# KiCad board MiniCamel_long.kicad_pcb
title: TinyLlama; date: 2023-02-10; rev: 2.1; company: Eivind Bøhler
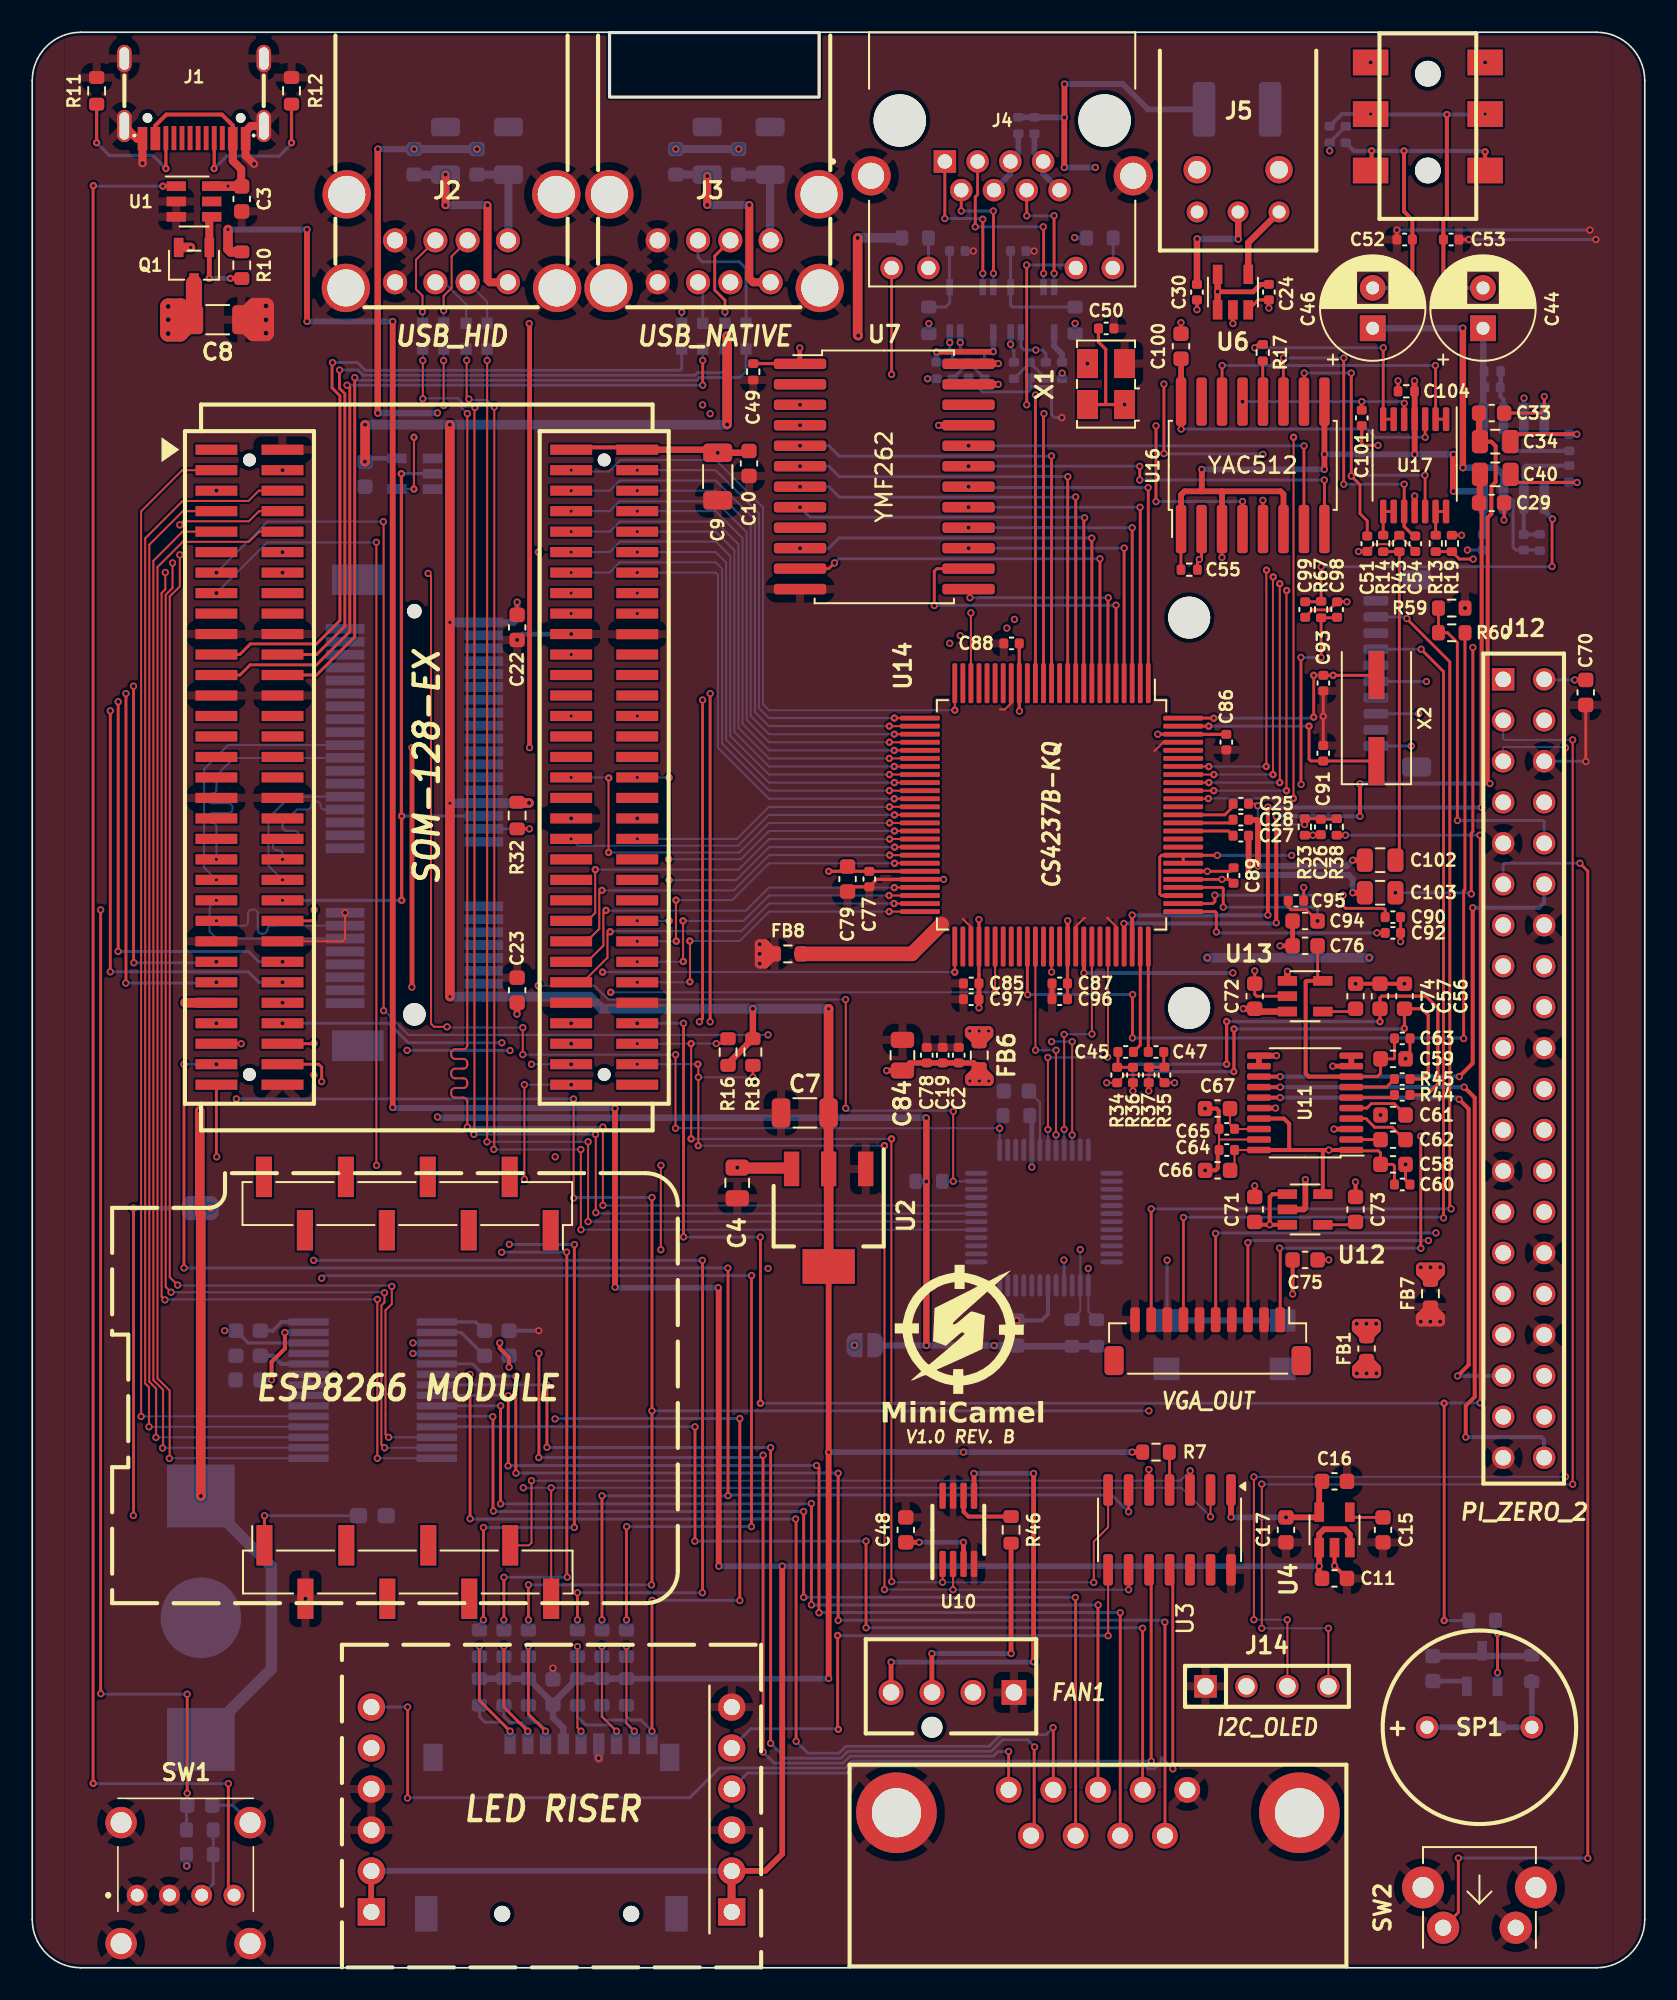
[diagram p0: board, top side]
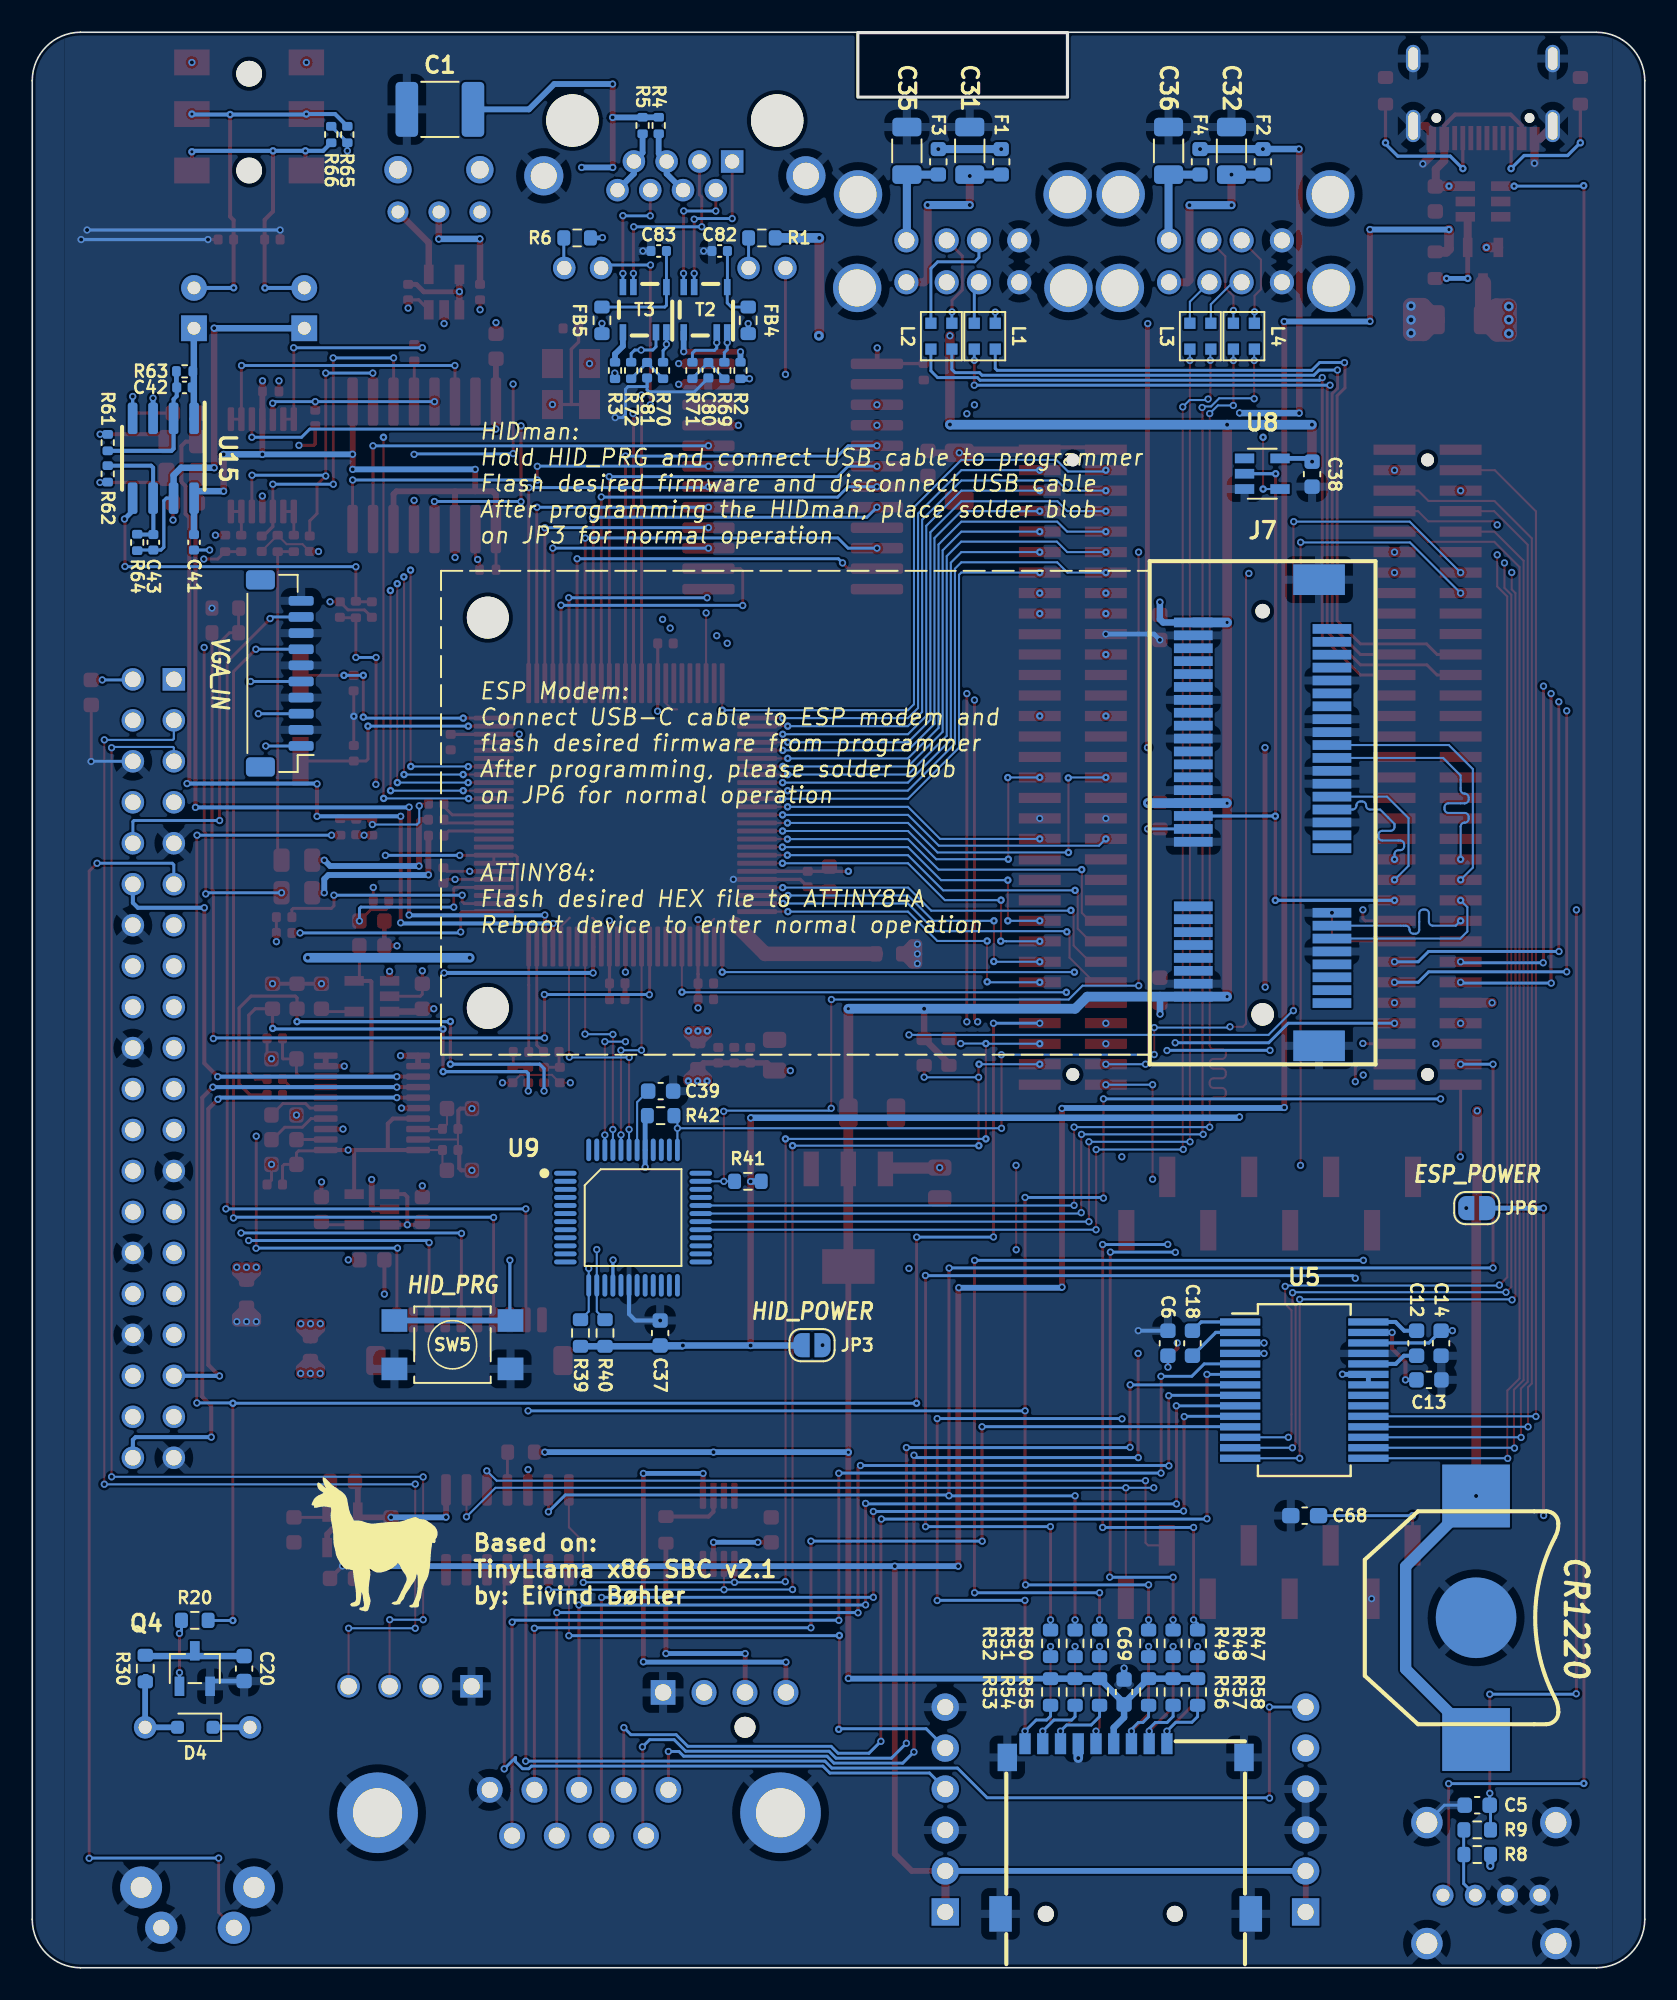
[diagram p1: board, bottom side, seen from below]

Outline 100 x 120 mm; copper layers: Top, In1.Cu (plane), In2.Cu (plane), Bottom. Coordinates in mm from the lower left corner of the outline.
Outline path: rectangle 35.8,119.98 48.8,115.98 ; 3,120 arc(0.88,119.12) 0,117 0,3 arc(0.88,0.88) 3,0 97,0 arc(99.12,0.88) 100,3 100,117 arc(99.12,119.12) 97,120 3,120
Stack: Top 0.035mm / dielectric 0.2mm FR4 er 4.6 / In1.Cu 0.0175mm / dielectric 1.065mm FR4 er 4.6 / In2.Cu 0.0175mm / dielectric 0.2mm FR4 er 4.6 / Bottom 0.035mm

## Placement (name value [footprint] x y rotation side)
BT1  CR1220  [BT_MY-1220-03]  10.46 21.7 270 bottom
C1  1nF  [C_1812_4532Metric]  74.72 115.22 180 bottom
C2  100nF  [C_0402_1005Metric_no_outline]  57.45 56.58 270 top
C3  0.1uF  [C_0603_1608Metric]  12.99 109.67 90 top
C4  10uF  [C_0805_2012Metric]  43.72 48.66 270 top
C5  10uF  [C_0603_1608Metric]  10.39 10.08 0 bottom
C6  0.1uF  [C_0603_1608Metric]  29.57 38.72 90 bottom
C7  47uF  [C_1206_3216Metric]  47.91 53 180 top
C8  47uF  [C_1206_3216Metric]  11.5 102.18 0 top
C9  47uF  [C_1206_3216Metric]  42.51 92.45 270 top
C10  0.1uF  [C_0603_1608Metric]  44.45 93.27 270 top
C11  1uF  [C_0603_1608Metric]  80.76 24.14 0 top
C12  0.1uF  [C_0603_1608Metric]  14.15 38.72 270 bottom
C13  0.1uF  [C_0603_1608Metric]  13.38 36.45 180 bottom
C14  0.1uF  [C_0603_1608Metric]  12.63 38.72 270 bottom
C15  470pF  [C_0603_1608Metric]  83.77 27.15 270 top
C16  10uF  [C_0603_1608Metric]  80.76 30.16 0 top
C17  0.1uF  [C_0603_1608Metric]  77.75 27.15 90 top
C18  0.1uF  [C_0603_1608Metric]  28.05 38.72 270 bottom
C19  100nF  [C_0402_1005Metric_no_outline]  56.46 56.58 270 top
C20  10nF  [C_0603_1608Metric]  86.86 18.55 270 bottom
C22  0.1uF  [C_0603_1608Metric]  30.07 83.1 270 top
C23  0.1uF  [C_0603_1608Metric]  30.07 60.61 90 top
C24  0.1uF  [C_0402_1005Metric]  76.69 103.89 90 top
C25  0.1uF  [C_0402_1005Metric]  74.95 72.17 0 top
C26  2.7nF  [C_0402_1005Metric]  79.91 70.73 270 top
C27  1uF  [C_0402_1005Metric]  74.95 70.19 0 top
C28  1uF  [C_0402_1005Metric]  74.95 71.18 0 top
C29  1nF  [C_0603_1608Metric]  90.51 90.82 180 top
C30  0.1uF  [C_0402_1005Metric]  72.23 103.89 270 top
C31  47uF  [C_1206_3216Metric]  41.86 112.65 90 bottom
C32  47uF  [C_1206_3216Metric]  25.63 112.65 90 bottom
C33  1nF  [C_0603_1608Metric]  90.51 96.39 180 top
C34  1uF  [C_0805_2012Metric]  90.73 94.62 0 top
C35  47uF  [C_1206_3216Metric]  45.76 112.65 90 bottom
C36  47uF  [C_1206_3216Metric]  29.53 112.65 90 bottom
C37  0.1uF  [C_0603_1608Metric]  61.06 39.35 270 bottom
C38  0.1uF  [C_0603_1608Metric]  20.63 92.6 270 bottom
C39  3.3uF  [C_0603_1608Metric]  61.03 54.35 0 bottom
C40  1uF  [C_0805_2012Metric]  90.73 92.59 0 top
C41  100nF  [C_0402_1005Metric_no_outline]  89.97 88.38 90 bottom
C42  47pF  [C_0402_1005Metric_no_outline]  90.56 97.98 180 bottom
C43  47pF  [C_0402_1005Metric_no_outline]  92.49 88.38 270 bottom
C44  220uF  [CP_Radial_D6.3mm_P2.50mm]  89.97 101.65 90 top
C45  10uF  [C_0402_1005Metric]  67.81 56.78 180 top
C46  220uF  [CP_Radial_D6.3mm_P2.50mm]  83.13 101.65 90 top
C47  10uF  [C_0402_1005Metric]  69.69 56.78 0 top
C48  0.1uF  [C_0603_1608Metric]  54.17 27.15 90 top
C49  100nF  [R_0402_1005Metric_no_outline]  44.71 98.95 270 top
C50  100nF  [C_0402_1005Metric_no_outline]  66.6 101.64 0 top
C51  2.7nF  [C_0402_1005Metric_no_outline]  82.79 88.29 270 top
C52  100pF  [C_0402_1005Metric_no_outline]  85.11 107.15 180 top
C53  100pF  [C_0402_1005Metric_no_outline]  87.99 107.15 0 top
C54  2.7nF  [C_0402_1005Metric_no_outline]  85.77 88.29 270 top
C55  100nF  [R_0402_1005Metric_no_outline]  71.75 86.68 180 top
C56  2.2nF  [C_0603_1608Metric]  85.1 60.23 270 top
C57  2.2nF  [C_0603_1608Metric]  83.58 60.23 270 top
C58  10uF  [C_0603_1608Metric]  84.39 49.81 0 top
C59  10uF  [C_0603_1608Metric]  84.39 56.35 0 top
C60  0.1uF  [C_0402_1005Metric]  84.96 48.56 0 top
C61  2.2uF  [C_0603_1608Metric]  84.39 52.87 0 top
C62  2.2uF  [C_0603_1608Metric]  84.39 51.34 0 top
C63  0.1uF  [C_0402_1005Metric]  84.96 57.62 0 top
C64  0.1uF  [C_0402_1005Metric]  74.08 50.7 180 top
C65  0.1uF  [C_0402_1005Metric]  74.08 52.01 0 top
C66  10uF  [C_0603_1608Metric]  73.51 49.44 180 top
C67  10uF  [C_0603_1608Metric]  73.5 53.27 0 top
C68  47uF  [C_0603_1608Metric_Pad1.08x0.95mm_HandSolder]  21.09 28.03 0 bottom
C69  0.1uF  [C_0603_1608Metric]  32.29 17.1 90 bottom
C70  0.1uF  [C_0603_1608Metric]  96.34 79.07 270 top
C71  1uF  [C_0603_1608Metric]  75.81 47.01 90 top
C72  1uF  [C_0603_1608Metric]  75.81 60.23 90 top
C73  470pF  [C_0603_1608Metric]  82.06 47.01 90 top
C74  470pF  [C_0603_1608Metric]  82.06 60.23 90 top
C75  10uF  [C_0603_1608Metric]  78.94 43.89 180 top
C76  10uF  [C_0603_1608Metric]  78.94 63.36 180 top
C77  100nF  [C_0402_1005Metric_no_outline]  51.91 67.5 270 top
C78  100nF  [C_0402_1005Metric_no_outline]  55.47 56.58 270 top
C79  1nF  [C_0603_1608Metric_no_outline]  50.56 67.5 270 top
C80  0.1uF  [C_0402_1005Metric]  58.07 99.05 270 bottom
C81  0.1uF  [C_0402_1005Metric]  61.87 99.05 270 bottom
C82  0.1uF  [C_0402_1005Metric]  57.37 106.44 0 bottom
C83  0.1uF  [C_0402_1005Metric]  61.15 106.44 0 bottom
C84  33uF  [C_0805_2012Metric]  53.96 56.58 270 top
C85  100nF  [C_0402_1005Metric_no_outline]  58.23 61.03 180 top
C86  100nF  [C_0402_1005Metric_no_outline]  74.05 75.99 270 top
C87  100nF  [C_0402_1005Metric_no_outline]  63.72 61.03 180 top
C88  100nF  [C_0402_1005Metric_no_outline]  60.73 82.11 180 top
C89  100nF  [C_0402_1005Metric_no_outline]  74.5 67.72 90 top
C90  1nF  [C_0402_1005Metric_no_outline]  84.38 65.14 180 top
C91  22pF  [C_0402_1005Metric_no_outline]  80.06 75.3 270 top
C92  1nF  [C_0402_1005Metric_no_outline]  84.38 64.16 180 top
C93  22pF  [C_0402_1005Metric_no_outline]  80.07 79.65 90 top
C94  1uF  [C_0603_1608Metric_no_outline]  78.94 64.9 180 top
C95  100nF  [C_0402_1005Metric_no_outline]  78.37 66.15 0 top
C96  1uF  [C_0402_1005Metric_no_outline]  63.72 60.05 0 top
C97  1uF  [C_0402_1005Metric_no_outline]  58.23 60.05 0 top
C98  100nF  [C_0402_1005Metric_no_outline]  80.92 84.21 270 top
C99  1uF  [C_0402_1005Metric_no_outline]  78.94 84.21 270 top
C100  10uF  [C_0603_1608Metric_no_outline]  71.24 100.53 270 top
C101  68pF  [C_0402_1005Metric_no_outline]  82.45 96.09 270 top
C102  1uF  [C_0805_2012Metric]  83.59 68.67 180 top
C103  1uF  [C_0805_2012Metric]  83.59 66.65 180 top
C104  100nF  [R_0402_1005Metric_no_outline]  85.21 97.74 0 top
D4  1N4148  [D_SOD-323F]  89.89 14.91 0 bottom
F1  F  [Fuse_0603_1608Metric_no_outline]  39.91 111.97 270 bottom
F2  F  [Fuse_0603_1608Metric_no_outline]  23.68 111.97 270 bottom
F3  F  [Fuse_0603_1608Metric_no_outline]  43.81 111.97 270 bottom
F4  F  [Fuse_0603_1608Metric_no_outline]  27.58 111.97 270 bottom
FB1  FB  [C_0603_1608Metric]  82.75 38.39 90 top
FB4  50Ω@100MHz  [R_0603_1608Metric]  55.6 102.14 90 bottom
FB5  50Ω@100MHz  [R_0603_1608Metric]  64.67 102.14 90 bottom
FB6  600Ω@100MHz  [R_0603_1608Metric_no_outline]  58.72 56.58 90 top
FB7  100Ω@100MHz  [R_0603_1608Metric_no_outline]  86.71 41.79 90 top
FB8  100Ω@100MHz  [R_0603_1608Metric_no_outline]  46.86 62.86 0 top
J1  J_USB_C  [J_USB_TYPE-C-31-M-12]  10.04 113.62 180 top
J2  USB_HID  [USB-A_2P_STACKED]  26 105.8 180 top
J3  USB_NATIVE  [USB-A_2P_STACKED]  42.29 105.8 180 top
J4  RJHSE-5384  [AMPHENOL_RJHSE-5384]  60.15 114.53 180 top
J5  J_TOSLINK_ZGY133T10  [TOSLINK_ZGY133T10]  74.78 108.86 0 top
J6  AUDIO_OUT  [J_AUDIO35_C95463]  86.55 114.93 0 top
J7  -  [J_MINI_PCIE]  23.7 59.11 90 bottom
J8  -  [P_DE9M]  60.55 11.03 180 top
J9  Conn_01x06  [MiniCamel_Riser]  32.2 13.42 0 top
J10  VGA_IN  [JST_SH_BM10B-SRSS-TB_1x10-1MP_P1.00mm_Vertical]  84.65 80.25 90 bottom
J11  ESP8266 MODULE  [J_WEMOS_D1_MINI]  23.26 35.93 0 top
J12  PI_ZERO_2  [J_CONN_RPI]  92.49 55.75 0 top
J13  MICRO_SD  [MicroSD_TF01A_overhang]  32.19 6.64 180 bottom
J14  I2C_OLED  [P_CONN_01X04_SQUARE]  76.57 17.45 0 top
J15  VGA_OUT  [JST_SH_BM10B-SRSS-TB_1x10-1MP_P1.00mm_Vertical]  72.89 38.84 180 top
JP3  HID_POWER  [SolderJumper-2_P1.3mm_Open_RoundedPad1.0x1.5mm]  51.64 38.6 0 bottom
JP6  ESP_POWER  [SolderJumper-2_P1.3mm_Open_RoundedPad1.0x1.5mm]  10.42 47.1 180 bottom
L1  L_EMI_FILTER  [L_EMI_FILTER_MCM2012B900GBE]  40.93 101.16 270 bottom
L2  L_EMI_FILTER  [L_EMI_FILTER_MCM2012B900GBE]  43.62 101.16 270 bottom
L3  L_EMI_FILTER  [L_EMI_FILTER_MCM2012B900GBE]  27.56 101.16 90 bottom
L4  L_EMI_FILTER  [L_EMI_FILTER_MCM2012B900GBE]  24.86 101.16 90 bottom
LOGO1  snipe_logo  [snipe_96x96px]  57.49 39.58 0 top
LOGO2  Llama_logo  [LLAMA_LOGO]  86.89 32.42 180 bottom
P1  SOM-128-EX  [P_CONN_SOM-128-EX]  13.47 94.12 0 top
P2  FAN1  [J_MOLEX_47053-1000]  60.88 17.07 0 top
Q1  Q_PMOS_GDS  [Q_PFET_ENH_SOT-23-3]  10.03 105.56 90 top
Q4  NPN  [Q_BJT_SOT-23-3]  89.92 18.55 270 bottom
R1  330  [R_0603_1608Metric]  54.75 107.25 180 bottom
R2  75  [R_0402_1005Metric]  56.08 99.03 90 bottom
R3  75  [R_0402_1005Metric]  63.86 99.03 90 bottom
R4  75  [R_0402_1005Metric]  61.15 114.22 270 bottom
R5  75  [R_0402_1005Metric]  62.15 114.22 270 bottom
R6  330  [R_0603_1608Metric]  66.21 107.25 0 bottom
R7  10k  [R_0603_1608Metric]  69.69 31.97 180 top
R8  10k  [R_0603_1608Metric]  10.39 7.02 0 bottom
R9  470  [R_0603_1608Metric]  10.39 8.55 0 bottom
R10  47k  [R_0603_1608Metric]  12.99 105.56 90 top
R11  5.1k  [R_0603_1608Metric]  3.99 116.37 90 top
R12  5.1k  [R_0603_1608Metric]  16.08 116.37 90 top
R13  6.8k  [R_0402_1005Metric_no_outline]  87.04 88.31 90 top
R14  6.8k  [R_0402_1005Metric_no_outline]  83.78 88.31 90 top
R16  4.7k  [R_0603_1608Metric]  43.15 56.77 270 top
R17  33  [R_0402_1005Metric_no_outline]  76.31 100.14 270 top
R18  4.7k  [R_0603_1608Metric]  44.69 56.77 90 top
R19  8.2k  [R_0402_1005Metric_no_outline]  88.04 88.31 270 top
R20  1k  [R_0603_1608Metric]  89.92 21.54 0 bottom
R30  33  [R_0603_1608Metric]  92.99 18.55 270 bottom
R32  4.7k  [R_0603_1608Metric]  30.07 71.43 90 top
R33  4.7k  [R_0402_1005Metric]  78.92 70.73 270 top
R34  6.8k  [C_0402_1005Metric]  67.28 55.35 90 top
R35  6.8k  [C_0402_1005Metric]  70.22 55.35 90 top
R36  6.8k  [C_0402_1005Metric]  68.26 55.35 90 top
R37  6.8k  [C_0402_1005Metric]  69.24 55.35 90 top
R38  47k  [R_0402_1005Metric]  80.9 70.73 90 top
R39  4.7k  [R_0603_1608Metric]  66 39.35 270 bottom
R40  4.7k  [R_0603_1608Metric]  64.48 39.35 270 bottom
R41  4.7k  [R_0603_1608Metric]  55.62 48.76 180 bottom
R42  4.7k  [R_0603_1608Metric]  61.03 52.83 0 bottom
R43  8.2k  [R_0402_1005Metric_no_outline]  84.78 88.31 270 top
R44  470  [C_0402_1005Metric]  84.96 54.12 0 top
R45  470  [C_0402_1005Metric]  84.96 55.1 0 top
R46  10k  [R_0603_1608Metric]  60.7 27.15 90 top
R47  33  [R_0603_1608Metric]  27.73 20.11 90 bottom
R48  33  [R_0603_1608Metric]  29.25 20.11 90 bottom
R49  33  [R_0603_1608Metric]  30.77 20.11 90 bottom
R50  0  [R_0603_1608Metric]  33.81 20.11 90 bottom
R51  33  [R_0603_1608Metric]  35.33 20.11 90 bottom
R52  33  [R_0603_1608Metric]  36.85 20.11 90 bottom
R53  47k  [R_0603_1608Metric]  36.85 17.1 270 bottom
R54  47k  [R_0603_1608Metric]  35.33 17.1 270 bottom
R55  47k  [R_0603_1608Metric]  33.81 17.1 270 bottom
R56  47k  [R_0603_1608Metric]  30.77 17.1 270 bottom
R57  47k  [R_0603_1608Metric]  29.25 17.1 270 bottom
R58  47k  [R_0603_1608Metric]  27.73 17.1 270 bottom
R59  20k  [R_0603_1608Metric]  88.03 84.3 0 top
R60  10k  [R_0603_1608Metric]  88.03 82.77 180 top
R61  27k  [R_0402_1005Metric_no_outline]  95.32 94.56 90 bottom
R62  27k  [R_0402_1005Metric_no_outline]  95.32 92.62 270 bottom
R63  39k  [R_0402_1005Metric_no_outline]  90.55 98.98 0 bottom
R64  39k  [R_0402_1005Metric_no_outline]  93.49 88.37 90 bottom
R65  1k  [R_0402_1005Metric_no_outline]  80.46 113.66 270 bottom
R66  1k  [R_0402_1005Metric_no_outline]  81.46 113.66 90 bottom
R67  2.2k  [R_0402_1005Metric_no_outline]  79.93 84.21 270 top
R69  49.9  [R_0402_1005Metric]  57.08 99.03 270 bottom
R70  49.9  [R_0402_1005Metric]  60.88 99.03 270 bottom
R71  49.9  [R_0402_1005Metric]  59.06 99.03 270 bottom
R72  49.9  [R_0402_1005Metric]  62.86 99.03 270 bottom
SP1  PC SPEAKER  [SP]  89.75 14.91 0 top
SW1  PWR/RST  [TL53EF160Q]  6.51 4.5 0 top
SW2  SYNTH  [SW-right_angle]  89.75 3.73 0 top
SW5  HID_PRG  [SW_SPST_TL3305A]  73.94 38.63 180 bottom
T2  ALT3232M  [T_ALT3232M-151-T001]  58.25 102.8 90 bottom
T3  ALT3232M  [T_ALT3232M-151-T001]  62.02 102.8 90 bottom
U1  U_MAX16054  [U_TSOT-23-6]  10.03 109.51 0 top
U2  U_AMS1117-3.3  [U_SOT-223-3]  49.39 46.63 270 top
U3  ATTINY84A  [SOIC-14_3.9x8.7mm_P1.27mm]  70.53 27.15 270 top
U4  U_MIC5219-3.3YM5  [U_SOT-23-5]  80.76 27.15 90 top
U5  U_MAX3243  [U_SSOP-28_5.3x10.2mm_P0.65mm_HandSoldering]  21.12 35.81 180 bottom
U6  U_74LVC1G126  [U_SOT-23-5]  74.46 103.89 90 top
U7  YMF262  [U_SOP-24_8.4x15.5mm_P1.27mm]  52.84 92.46 0 top
U8  U_74LVC1G04  [U_SOT-23-5]  23.72 92.63 180 bottom
U9  U_CH559L  [U_QFP-12x12_14x14_Pitch0.5mm]  62.74 46.51 180 bottom
U10  EMC2301  [U_MSOP-8_3x3mm_P0.65mm]  57.43 27.15 90 top
U11  PCM5102A  [TSSOP-20_4.4x6.5mm_P0.65mm]  78.94 53.62 180 top
U12  U_MIC5219-3.3YM5  [U_SOT-23-5]  78.94 47.01 0 top
U13  U_MIC5219-3.3YM5  [U_SOT-23-5]  78.94 60.23 0 top
U14  CS4237B-KQ  [U_TQFP-100_14x14mm_P0.5mm_HandSoldering]  63.21 71.48 270 top
U15  OPA1656  [U_SOIC-8_3.9x4.9mm_P1.27mm]  91.87 93.59 270 bottom
U16  YAC512  [U_SOP-16_5.3x10.2mm_P1.27mm]  75.69 93.15 90 top
U17  TL074  [U_TSSOP-14_4.4x5mm_P0.65mm]  85.73 93.15 270 top
X1  14.318MHz  [XO_SMD5032]  66.59 98.19 90 top
X2  16.9344MHz  [X_Crystal_SMD_HC49S-MINI]  83.36 77.48 90 top

## Library data of the parts
BT1 = -: LCSC: C964745; Label: RTC BATTERY
C1 = -: LCSC: C106132; Voltage: min. 2kV
C2 C19 C41 C49 C50 C55 C77 C78 C80-C89 C95 C98 C104 = -: LCSC: C1525
C29 C33 = -: Description: C0G; LCSC: C76947
C34 C40 C44 C46 C94 = -: Description: ELEC
C37 = -: LCSC: C14663
C42 C43 = -: Description: C0G; LCSC: C3843411
C51 C54 = -: LCSC: C327272
C52 C53 = -: LCSC: C277520
C70 = -: Description: Unpolarized capacitor, small symbol; ki_fp_filters: C_*
C79 = -: LCSC: C76947
C90 C92 = -: Note: C0G; LCSC: C76947
C91 C93 = -: Description: C0G; LCSC: C76960
C96 C97 C99 = -: LCSC: C77009
C100 = -: LCSC: C344022
C101 = -: LCSC: C389103
D4 = -: LCSC: C2128
F1-F4 = -: Note: Hold@1A; Note2: Trip@1.8A
FB1 = -: Note: 600Ω@100MHz
FB4 FB5 = -: Description: Ferrite bead, small symbol; LCSC: C394425; ki_fp_filters: Inductor_* L_* *Ferrite*
FB6 = -: Description: Ferrite bead, small symbol; LCSC: C160977; ki_fp_filters: Inductor_* L_* *Ferrite*
FB7 FB8 = -: Description: Ferrite bead, small symbol; LCSC: C107332; ki_fp_filters: Inductor_* L_* *Ferrite*
J1 = -: ki_fp_filters: USB*C*Receptacle*
J2 J3 = -: ki_fp_filters: USB*
J4 = -: PARTREV: E; MANUFACTURER: Amphenol; MAXIMUM_PACKAGE_HEIGHT: 13.46mm; STANDARD: Manufacturer Recommendations
J5 = -: LCSC: C277782
J6 = -: Part Number: LCSC:C95463; ki_fp_filters: Jack*
J9 = -: Description: Generic connector, single row, 01x12, script generated (kicad-library-utils/schlib/autogen/connector/); ki_fp_filters: Connector*:*_1x??_*
J10 J15 = -: Description: Generic connector, single row, 01x10, script generated (kicad-library-utils/schlib/autogen/connector/); ki_fp_filters: Connector*:*_1x??_*
J11 = -: Description: WeMos D1 mini
J12 = -: LCSC: C3975165
J13 = -: LCSC: C91145; ki_fp_filters: microSD*
JP3 JP6 = -: Description: Jumper, 2-pole, closed/bridged; ki_fp_filters: Jumper* TestPoint*2Pads* TestPoint*Bridge*
P2 = -: Datasheet: https://datasheet.lcsc.com/lcsc/1811051309_MOLEX-470531000_C240840.pdf; LCSC: C240840
Q4 = -: LCSC: C2146
R1 R6 = -: Description: Resistor, small symbol; ki_fp_filters: R_*
R2-R5 = -: Precision: 1%
R13 R14 = -: LCSC: C93940
R17 = -: LCSC: C138002
R19 R43 = -: LCSC: C137929
R61 R62 = -: Description: 0.1%; LCSC: C723421
R63 R64 = -: Description: 0.1%; LCSC: C2692983
R65 R66 = -: LCSC: C144051
R67 = -: LCSC: C114762
R69-R72 = -: LCSC: C87044
SP1 = -: LCSC: C252917
SW1 = -: Datasheet: https://configured-product-images.s3.amazonaws.com/2D/specs/TL53EF160Q.pdf; Description: TACT, 50mA, 12VDC SPST-NO, Off-(On) Through Hole, Right Angle; Height: 22.6; Mouser Part Number: 612-TL53EF160Q; Mouser Price/Stock: https://www.mouser.co.uk/ProductDetail/E-Switch/TL53EF160Q/?qs=QtyuwXswaQiWGXqUDT8ihA%3D%3D; Manufacturer_Name: E-Switch; Manufacturer_Part_Number: TL53EF160Q
SW2 = -: Datasheet: https://configured-product-images.s3.amazonaws.com/2D/specs/TL53EF160Q.pdf; Description: TACT, 50mA, 12VDC SPST-NO, Off-(On) Through Hole, Right Angle; Height: 22.6; Mouser Part Number: 612-TL53EF160Q; Mouser Price/Stock: https://www.mouser.co.uk/ProductDetail/E-Switch/TL53EF160Q/?qs=QtyuwXswaQiWGXqUDT8ihA%3D%3D; Manufacturer_Name: E-Switch; Manufacturer_Part_Number: TL53EF160Q; STANDARD: Manufacturer Recommednation
T2 T3 = -: Description: Ethernet LAN 10/100 Base-Tx Transformer with Center Taps; LCSC: C5159359; ki_fp_filters: Transformer*Ethernet*Bourns*PT61017PEL*
U2 = -: ki_fp_filters: SOT?223*TabPin2*
U4 U12 U13 = -: LCSC: C29613; ki_fp_filters: SOT?23*
U6 = -: Datasheet: http://www.ti.com/lit/sg/scyt129e/scyt129e.pdf; LCSC: C7834; ki_fp_filters: SOT* SG-*
U9 = -: Part Number: LCSC:C150548
U11 = -: LCSC: C107671
U15 = -: Description: Dual Operational Amplifier, SOP-8; LCSC: C1849431; ki_fp_filters: SOIC*3.9x4.9mm*P1.27mm* DIP*W7.62mm* TO*99* OnSemi*Micro8* TSSOP*3x3mm*P0.65mm* TSSOP*4.4x3mm*P0.65mm* MSOP*3x3mm*P0.65mm* SSOP*3.9x4.9mm*P0.635mm* LFCSP*2x2mm*P0.5mm* *SIP* SOIC*5.3x6.2mm*P1.27mm*
U17 = -: LCSC: C96507; ki_fp_filters: SOIC*3.9x8.7mm*P1.27mm* DIP*W7.62mm* TSSOP*4.4x5mm*P0.65mm* SSOP*5.3x6.2mm*P0.65mm* MSOP*3x3mm*P0.5mm*
X1 = -: LCSC: C387230; ki_fp_filters: Oscillator*SMD*SeikoEpson*SG8002LB*5.0x3.2mm*
X2 = -: LCSC: C4944017
